# KiCad board pinstripe.kicad_pcb
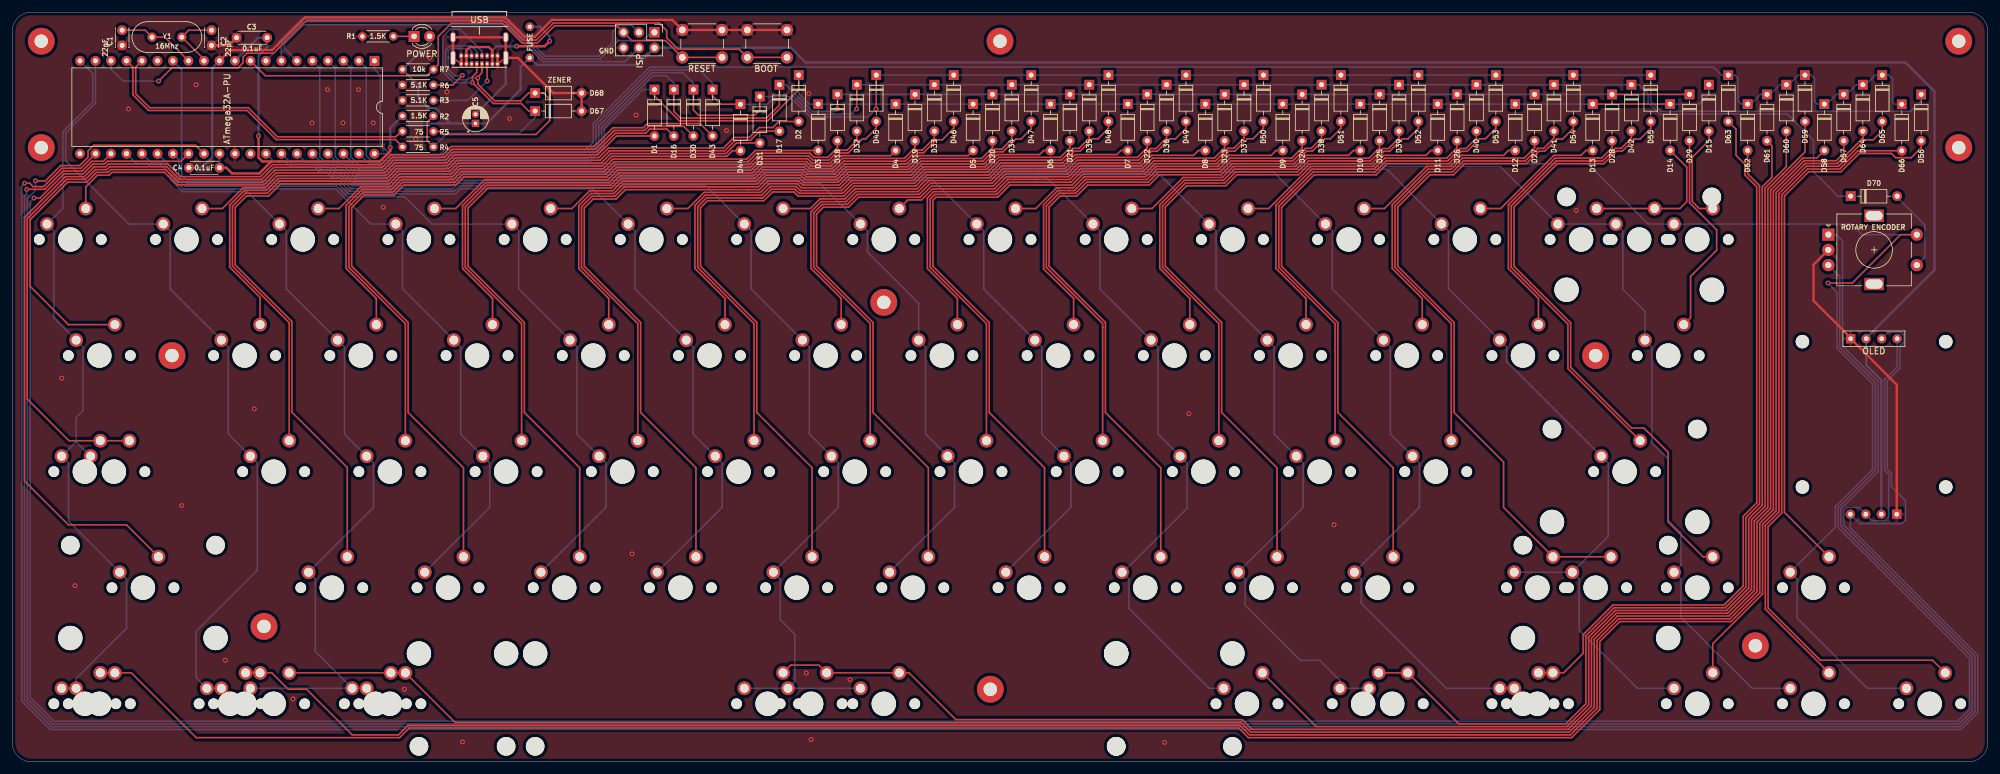
[diagram p0: board, top side]
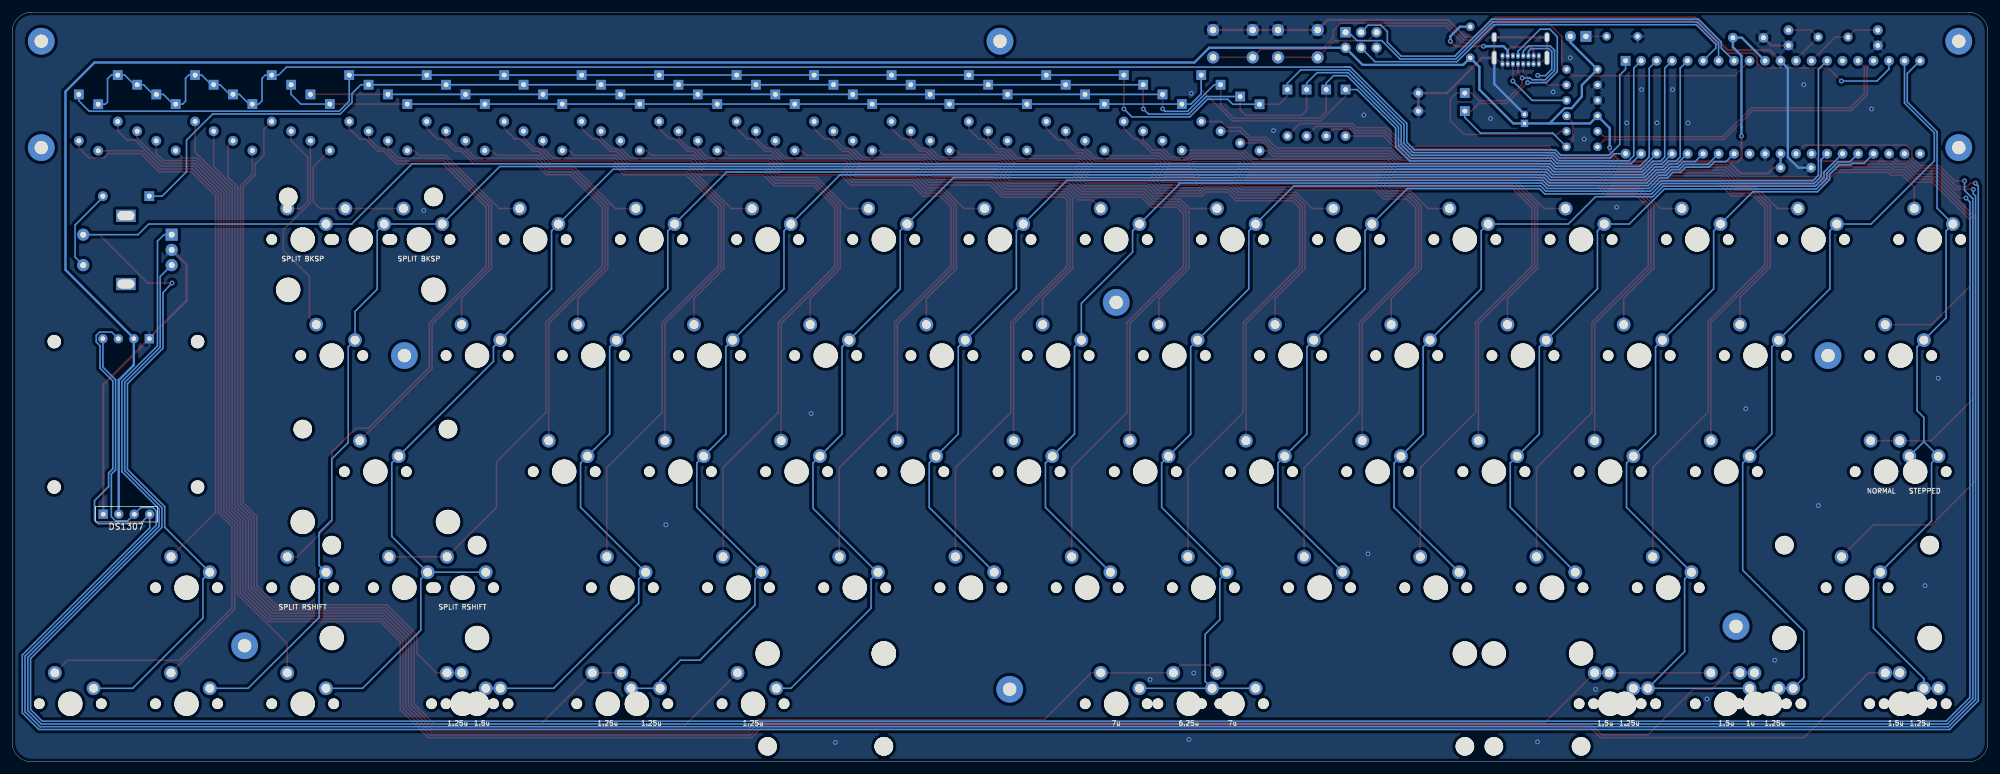
[diagram p1: board, bottom side, seen from below]

Outline 323.85 x 123.03 mm; copper layers: Top, Bottom. Coordinates in mm from the lower left corner of the outline.
Outline path: 0,119.86 arc(0.93,122.1) 3.18,123.03 320.68,123.03 arc(322.92,122.1) 323.85,119.86 323.85,3.17 arc(322.92,0.93) 320.68,0 3.18,0 arc(0.93,0.93) 0,3.17 0,119.86

## Placement (name value [footprint] x y rotation side)
BOOT  SW_Push  [SW_PUSH_6mm]  120.5 120.11 0 top
C1  22pF  [C_Disc_D3.0mm_W2.0mm_P2.50mm]  18.02 120.08 270 top
C2  22pF  [C_Disc_D3.0mm_W2.0mm_P2.50mm]  32.68 120.08 270 top
C3  0.1uF  [C_Disc_D4.3mm_W1.9mm_P5.00mm]  41.78 118.84 180 top
C4  0.1uF  [C_Disc_D4.3mm_W1.9mm_P5.00mm]  33.97 97.5 180 top
C5  4.7uF  [CP_Radial_D4.0mm_P1.50mm]  75.95 104.77 90 top
D1  1N4148  [D_DO-35_SOD27_P7.62mm_Horizontal]  105.28 110.33 270 top
D2  1N4148  [D_DO-35_SOD27_P7.62mm_Horizontal]  128.94 112.71 270 top
D3  1N4148  [D_DO-35_SOD27_P7.62mm_Horizontal]  132.11 107.95 270 top
D4  1N4148  [D_DO-35_SOD27_P7.62mm_Horizontal]  144.81 107.95 270 top
D5  1N4148  [D_DO-35_SOD27_P7.62mm_Horizontal]  157.51 107.95 270 top
D6  1N4148  [D_DO-35_SOD27_P7.62mm_Horizontal]  170.21 107.95 270 top
D7  1N4148  [D_DO-35_SOD27_P7.62mm_Horizontal]  182.88 107.95 270 top
D8  1N4148  [D_DO-35_SOD27_P7.62mm_Horizontal]  195.58 107.95 270 top
D9  1N4148  [D_DO-35_SOD27_P7.62mm_Horizontal]  208.28 107.95 270 top
D10  1N4148  [D_DO-35_SOD27_P7.62mm_Horizontal]  220.98 107.95 270 top
D11  1N4148  [D_DO-35_SOD27_P7.62mm_Horizontal]  233.68 107.95 270 top
D12  1N4148  [D_DO-35_SOD27_P7.62mm_Horizontal]  246.38 107.95 270 top
D13  1N4148  [D_DO-35_SOD27_P7.62mm_Horizontal]  259.08 107.95 270 top
D14  1N4148  [D_DO-35_SOD27_P7.62mm_Horizontal]  271.78 107.95 270 top
D15  1N4148  [D_DO-35_SOD27_P7.62mm_Horizontal]  278.13 111.12 270 top
D16  1N4148  [D_DO-35_SOD27_P7.62mm_Horizontal]  108.46 110.33 270 top
D17  1N4148  [D_DO-35_SOD27_P7.62mm_Horizontal]  125.76 111.12 270 top
D18  1N4148  [D_DO-35_SOD27_P7.62mm_Horizontal]  135.29 109.54 270 top
D19  1N4148  [D_DO-35_SOD27_P7.62mm_Horizontal]  147.99 109.54 270 top
D20  1N4148  [D_DO-35_SOD27_P7.62mm_Horizontal]  160.69 109.54 270 top
D21  1N4148  [D_DO-35_SOD27_P7.62mm_Horizontal]  173.39 109.54 270 top
D22  1N4148  [D_DO-35_SOD27_P7.62mm_Horizontal]  186.06 109.54 270 top
D23  1N4148  [D_DO-35_SOD27_P7.62mm_Horizontal]  198.75 109.54 270 top
D24  1N4148  [D_DO-35_SOD27_P7.62mm_Horizontal]  211.45 109.54 270 top
D25  1N4148  [D_DO-35_SOD27_P7.62mm_Horizontal]  224.15 109.54 270 top
D26  1N4148  [D_DO-35_SOD27_P7.62mm_Horizontal]  236.85 109.54 270 top
D27  1N4148  [D_DO-35_SOD27_P7.62mm_Horizontal]  249.56 109.54 270 top
D28  1N4148  [D_DO-35_SOD27_P7.62mm_Horizontal]  262.25 109.54 270 top
D29  1N4148  [D_DO-35_SOD27_P7.62mm_Horizontal]  274.95 109.54 270 top
D30  1N4148  [D_DO-35_SOD27_P7.62mm_Horizontal]  111.66 110.33 270 top
D31  1N4148  [D_DO-35_SOD27_P7.62mm_Horizontal]  122.55 109.19 270 top
D32  1N4148  [D_DO-35_SOD27_P7.62mm_Horizontal]  138.46 111.12 270 top
D33  1N4148  [D_DO-35_SOD27_P7.62mm_Horizontal]  151.16 111.12 270 top
D34  1N4148  [D_DO-35_SOD27_P7.62mm_Horizontal]  163.86 111.12 270 top
D35  1N4148  [D_DO-35_SOD27_P7.62mm_Horizontal]  176.56 111.12 270 top
D36  1N4148  [D_DO-35_SOD27_P7.62mm_Horizontal]  189.23 111.12 270 top
D37  1N4148  [D_DO-35_SOD27_P7.62mm_Horizontal]  201.93 111.12 270 top
D38  1N4148  [D_DO-35_SOD27_P7.62mm_Horizontal]  214.63 111.12 270 top
D39  1N4148  [D_DO-35_SOD27_P7.62mm_Horizontal]  227.33 111.12 270 top
D40  1N4148  [D_DO-35_SOD27_P7.62mm_Horizontal]  240.03 111.12 270 top
D41  1N4148  [D_DO-35_SOD27_P7.62mm_Horizontal]  252.73 111.12 270 top
D42  1N4148  [D_DO-35_SOD27_P7.62mm_Horizontal]  265.43 111.12 270 top
D43  1N4148  [D_DO-35_SOD27_P7.62mm_Horizontal]  114.81 110.33 270 top
D44  1N4148  [D_DO-35_SOD27_P7.62mm_Horizontal]  119.38 107.92 270 top
D45  1N4148  [D_DO-35_SOD27_P7.62mm_Horizontal]  141.64 112.71 270 top
D46  1N4148  [D_DO-35_SOD27_P7.62mm_Horizontal]  154.34 112.71 270 top
D47  1N4148  [D_DO-35_SOD27_P7.62mm_Horizontal]  167.04 112.71 270 top
D48  1N4148  [D_DO-35_SOD27_P7.62mm_Horizontal]  179.7 112.71 270 top
D49  1N4148  [D_DO-35_SOD27_P7.62mm_Horizontal]  192.41 112.71 270 top
D50  1N4148  [D_DO-35_SOD27_P7.62mm_Horizontal]  205.11 112.71 270 top
D51  1N4148  [D_DO-35_SOD27_P7.62mm_Horizontal]  217.81 112.71 270 top
D52  1N4148  [D_DO-35_SOD27_P7.62mm_Horizontal]  230.5 112.71 270 top
D53  1N4148  [D_DO-35_SOD27_P7.62mm_Horizontal]  243.2 112.71 270 top
D54  1N4148  [D_DO-35_SOD27_P7.62mm_Horizontal]  255.9 112.71 270 top
D55  1N4148  [D_DO-35_SOD27_P7.62mm_Horizontal]  268.6 112.71 270 top
D56  1N4148  [D_DO-35_SOD27_P7.62mm_Horizontal]  312.93 109.54 270 top
D57  1N4148  [D_DO-35_SOD27_P7.62mm_Horizontal]  300.23 109.54 270 top
D58  1N4148  [D_DO-35_SOD27_P7.62mm_Horizontal]  297.05 107.95 270 top
D59  1N4148  [D_DO-35_SOD27_P7.62mm_Horizontal]  293.88 112.71 270 top
D60  1N4148  [D_DO-35_SOD27_P7.62mm_Horizontal]  290.83 111.12 270 top
D61  1N4148  [D_DO-35_SOD27_P7.62mm_Horizontal]  287.65 109.54 270 top
D62  1N4148  [D_DO-35_SOD27_P7.62mm_Horizontal]  284.48 107.95 270 top
D63  1N4148  [D_DO-35_SOD27_P7.62mm_Horizontal]  281.31 112.71 270 top
D64  1N4148  [D_DO-35_SOD27_P7.62mm_Horizontal]  303.37 111.12 270 top
D65  1N4148  [D_DO-35_SOD27_P7.62mm_Horizontal]  306.55 112.71 270 top
D66  1N4148  [D_DO-35_SOD27_P7.62mm_Horizontal]  309.75 107.92 270 top
D67  3.6V  [D_DO-35_SOD27_P7.62mm_Horizontal]  85.73 106.81 0 top
D68  3.6V  [D_DO-35_SOD27_P7.62mm_Horizontal]  85.73 109.76 0 top
D70  1N4148  [D_DO-35_SOD27_P7.62mm_Horizontal]  301.37 92.84 0 top
DS1307  DS1307  [1x4]  306.39 38.1 180 bottom
F1  500mA  [polyfuse_5.1mm]  84.84 118.1 90 top
G***  LOGO  [logo_plate]  103.19 12.7 0 top
G***#2  LOGO  [logo_front]  101.6 14.29 180 bottom
H1  MountingHole  [MountingHole_2.2mm_M2_Pad]  4.76 118.27 0 top
H2  MountingHole  [MountingHole_2.2mm_M2_Pad]  319.09 118.27 0 top
H3  MountingHole  [MountingHole_2.2mm_M2_Pad]  4.76 100.81 0 top
H4  MountingHole  [MountingHole_2.2mm_M2_Pad]  319.09 100.81 0 top
H5  MountingHole  [MountingHole_2.2mm_M2_Pad]  26.19 66.67 0 top
H6  MountingHole  [MountingHole_2.2mm_M2_Pad]  142.88 75.41 0 top
H7  MountingHole  [MountingHole_2.2mm_M2_Pad]  259.56 66.67 0 top
H8  MountingHole  [MountingHole_2.2mm_M2_Pad]  41.28 22.22 0 top
H9  MountingHole  [MountingHole_2.2mm_M2_Pad]  160.34 11.91 0 top
H10  MountingHole  [MountingHole_2.2mm_M2_Pad]  161.93 118.27 0 top
H11  MountingHole  [MountingHole_2.2mm_M2_Pad]  285.75 19.05 0 top
ISP  AVR-ISP-6  [PinHeader_2x03_P2.54mm_Vertical]  105.28 119.73 270 top
MX_0  MX-NoLED  [MXOnly-1U-NoLED]  200.02 85.72 0 top
MX_1  MX-NoLED  [MXOnly-1U-NoLED]  28.58 85.72 0 top
MX_2  MX-NoLED  [MXOnly-1U-NoLED]  47.62 85.72 0 top
MX_3  MX-NoLED  [MXOnly-1U-NoLED]  66.67 85.72 0 top
MX_4  MX-NoLED  [MXOnly-1U-NoLED]  85.73 85.72 0 top
MX_5  MX-NoLED  [MXOnly-1U-NoLED]  104.77 85.72 0 top
MX_6  MX-NoLED  [MXOnly-1U-NoLED]  123.83 85.72 0 top
MX_7  MX-NoLED  [MXOnly-1U-NoLED]  142.88 85.72 0 top
MX_8  MX-NoLED  [MXOnly-1U-NoLED]  161.93 85.72 0 top
MX_9  MX-NoLED  [MXOnly-1U-NoLED]  180.98 85.72 0 top
MX_'1  MX-NoLED  [MXOnly-1U-NoLED]  233.36 47.62 0 top
MX_+1  MX-NoLED  [MXOnly-1U-NoLED]  238.12 85.72 0 top
MX_,1  MX-NoLED  [MXOnly-1U-NoLED]  185.74 28.57 0 top
MX_-1  MX-NoLED  [MXOnly-1U-NoLED]  219.07 85.72 0 top
MX_.1  MX-NoLED  [MXOnly-1U-NoLED]  204.79 28.57 0 top
MX_/1  MX-NoLED  [MXOnly-1U-NoLED]  223.84 28.57 0 top
MX_;1  MX-NoLED  [MXOnly-1U-NoLED]  214.31 47.62 0 top
MX_[1  MX-NoLED  [MXOnly-1U-NoLED]  228.6 66.67 0 top
MX_\1  MX-NoLED  [MXOnly-1.5U-NoLED]  271.46 66.67 0 top
MX_]1  MX-NoLED  [MXOnly-1U-NoLED]  247.65 66.67 0 top
MX_A1  MX-NoLED  [MXOnly-1U-NoLED]  42.86 47.62 0 top
MX_B1  MX-NoLED  [MXOnly-1U-NoLED]  128.59 28.57 0 top
MX_BKSP0  MX-NoLED  [MXOnly-2U-NoLED]  266.7 85.72 0 top
MX_BKSP1  MX-NoLED  [MXOnly-1U-NoLED]  257.18 85.72 0 top
MX_BKSP2  MX-NoLED  [MXOnly-1U-NoLED]  276.22 85.72 0 top
MX_C1  MX-NoLED  [MXOnly-1U-NoLED]  90.49 28.57 0 top
MX_CL1  MX-NoLED  [MXOnly-1.25U-NoLED]  11.91 47.62 0 top
MX_CL2  MX-NoLED  [MXOnly-1.75U-NoLED]  16.67 47.62 0 top
MX_D1  MX-NoLED  [MXOnly-1U-NoLED]  80.96 47.62 0 top
MX_DOWN1  MX-NoLED  [MXOnly-1U-NoLED]  295.27 9.52 0 top
MX_E1  MX-NoLED  [MXOnly-1U-NoLED]  76.2 66.67 0 top
MX_ENTER1  MX-NoLED  [MXOnly-2.25U-NoLED]  264.32 47.62 0 top
MX_ESC1  MX-NoLED  [MXOnly-1U-NoLED]  9.53 85.72 0 top
MX_F1  MX-NoLED  [MXOnly-1U-NoLED]  100.01 47.62 0 top
MX_FN1  MX-NoLED  [MXOnly-1.25U-NoLED]  226.22 9.52 0 top
MX_G1  MX-NoLED  [MXOnly-1U-NoLED]  119.06 47.62 0 top
MX_H1  MX-NoLED  [MXOnly-1U-NoLED]  138.11 47.62 0 top
MX_I1  MX-NoLED  [MXOnly-1U-NoLED]  171.45 66.67 0 top
MX_J1  MX-NoLED  [MXOnly-1U-NoLED]  157.16 47.62 0 top
MX_K1  MX-NoLED  [MXOnly-1U-NoLED]  176.21 47.62 0 top
MX_L1  MX-NoLED  [MXOnly-1U-NoLED]  195.26 47.62 0 top
MX_LALT1  MX-NoLED  [MXOnly-1.25U-NoLED]  59.53 9.52 0 top
MX_LALT2  MX-NoLED  [MXOnly-1.5U-NoLED]  42.86 9.52 0 top
MX_LALT3  MX-NoLED  [MXOnly-1.5U-NoLED]  61.91 9.52 0 top
MX_LCTRL1  MX-NoLED  [MXOnly-1.25U-NoLED]  11.91 9.52 0 top
MX_LCTRL2  MX-NoLED  [MXOnly-1.5U-NoLED]  14.29 9.52 0 top
MX_LEFT1  MX-NoLED  [MXOnly-1U-NoLED]  276.22 9.52 0 top
MX_LS1  MX-NoLED  [MXOnly-2.25U-NoLED]  21.43 28.57 0 top
MX_LWIN2  MX-NoLED  [MXOnly-1U-NoLED]  38.1 9.52 0 top
MX_M1  MX-NoLED  [MXOnly-1U-NoLED]  166.69 28.57 0 top
MX_N1  MX-NoLED  [MXOnly-1U-NoLED]  147.64 28.57 0 top
MX_O1  MX-NoLED  [MXOnly-1U-NoLED]  190.5 66.67 0 top
MX_P1  MX-NoLED  [MXOnly-1U-NoLED]  209.55 66.67 0 top
MX_Q1  MX-NoLED  [MXOnly-1U-NoLED]  38.1 66.67 0 top
MX_R1  MX-NoLED  [MXOnly-1U-NoLED]  95.25 66.67 0 top
MX_RALT1  MX-NoLED  [MXOnly-1.25U-NoLED]  202.41 9.52 0 top
MX_RALT2  MX-NoLED  [MXOnly-1.5U-NoLED]  221.46 9.52 0 top
MX_RCTRL1  MX-NoLED  [MXOnly-1.25U-NoLED]  250.03 9.52 0 top
MX_RCTRL2  MX-NoLED  [MXOnly-1.5U-NoLED]  247.65 9.52 0 top
MX_RIGHT1  MX-NoLED  [MXOnly-1U-NoLED]  314.32 9.52 0 top
MX_RS0  MX-NoLED  [MXOnly-2.75U-NoLED]  259.56 28.57 0 top
MX_RS1  MX-NoLED  [MXOnly-1.75U-NoLED]  250.03 28.57 0 top
MX_RS2  MX-NoLED  [MXOnly-1U-NoLED]  276.22 28.57 0 top
MX_S1  MX-NoLED  [MXOnly-1U-NoLED]  61.91 47.62 0 top
MX_SPACE1  MX-NoLED  [MXOnly-6.25U-ReversedStabilizers-NoLED]  130.97 9.52 0 top
MX_SPACE2  MX-NoLED  [MXOnly-7U-ReversedStabilizers-NoLED]  123.83 9.52 0 top
MX_SPACE3  MX-NoLED  [MXOnly-7U-ReversedStabilizers-NoLED]  142.88 9.52 0 top
MX_T1  MX-NoLED  [MXOnly-1U-NoLED]  114.3 66.67 0 top
MX_TAB1  MX-NoLED  [MXOnly-1.5U-NoLED]  14.29 66.67 0 top
MX_U1  MX-NoLED  [MXOnly-1U-NoLED]  152.4 66.67 0 top
MX_UP1  MX-NoLED  [MXOnly-1U-NoLED]  295.27 28.57 0 top
MX_V1  MX-NoLED  [MXOnly-1U-NoLED]  109.54 28.57 0 top
MX_W1  MX-NoLED  [MXOnly-1U-NoLED]  57.15 66.67 0 top
MX_WIN1  MX-NoLED  [MXOnly-1.25U-NoLED]  35.72 9.52 0 top
MX_X1  MX-NoLED  [MXOnly-1U-NoLED]  71.44 28.57 0 top
MX_Y1  MX-NoLED  [MXOnly-1U-NoLED]  133.35 66.67 0 top
MX_Z1  MX-NoLED  [MXOnly-1U-NoLED]  52.39 28.57 0 top
OLED  OLED  [1x4]  303.91 66.9 0 top
POWER  LED  [LED_D3.0mm_Clear]  65.88 119.06 0 top
R1  1.5K  [R_Axial_DIN0204_L3.6mm_D1.6mm_P5.08mm_Horizontal]  62.48 119.06 180 top
R2  1.5K  [R_Axial_DIN0204_L3.6mm_D1.6mm_P5.08mm_Horizontal]  63.97 106.01 0 top
R3  5.1K  [R_Axial_DIN0204_L3.6mm_D1.6mm_P5.08mm_Horizontal]  63.98 108.55 0 top
R4  75  [R_Axial_DIN0204_L3.6mm_D1.6mm_P5.08mm_Horizontal]  63.98 100.93 0 top
R5  75  [R_Axial_DIN0204_L3.6mm_D1.6mm_P5.08mm_Horizontal]  63.98 103.47 0 top
R6  5.1K  [R_Axial_DIN0204_L3.6mm_D1.6mm_P5.08mm_Horizontal]  63.97 111.09 0 top
R7  10k  [R_Axial_DIN0204_L3.6mm_D1.6mm_P5.08mm_Horizontal]  63.98 113.63 0 top
REF**  -  [MountingHole_2.2mm_M2]  316.96 68.96 0 top
REF**#2  -  [MountingHole_2.2mm_M2]  293.46 68.96 0 top
REF**#3  -  [MountingHole_2.2mm_M2]  293.46 45.1 0 top
REF**#4  -  [MountingHole_2.2mm_M2]  316.96 45.1 0 top
RESET  SW_Push  [SW_PUSH_6mm]  109.86 120.11 0 top
ROTARY ENCODER  Rotary_Encoder_Switch  [RotaryEncoder_Alps_EC11E-Switch_Vertical_H20mm]  297.71 86.52 0 top
U1  ATmega32A-PU  [DIP-40_W15.24mm]  59.37 115.05 270 top
USB  GCT-USB-4085-GF-A  [USB_C_GCT_USB4085]  76.58 120.65 180 top
Y1  16Mhz  [Crystal_HC49-4H_Vertical]  27.8 118.94 180 top

## Footprints (pads in the part's own frame, mm; a bottom-side part is the same pattern mirrored in y, then rotated)
1x4
  rect 1.524x1.524 hole 0.762: 1(-2.54,2.54)
  round 1.524 hole 0.762: 2(0,2.54) 3(2.54,2.54) 4(5.08,2.54)
C_Disc_D3.0mm_W2.0mm_P2.50mm
  round 1.6 hole 0.8: 1(0,0) 2(2.5,0)
C_Disc_D4.3mm_W1.9mm_P5.00mm
  round 1.6 hole 0.8: 1(0,0) 2(5,0)
CP_Radial_D4.0mm_P1.50mm
  rect 1.2x1.2 hole 0.6: 1(0,0)
  round 1.2 hole 0.6: 2(1.5,0)
Crystal_HC49-4H_Vertical
  round 1.5 hole 0.8: 1(0,0) 2(4.88,0)
D_DO-35_SOD27_P7.62mm_Horizontal
  rect 1.6x1.6 hole 0.8: 1(0,0)
  oval 1.6x1.6 hole 0.8: 2(7.62,0)
DIP-40_W15.24mm
  rect 1.6x1.6 hole 0.8: 1(0,0)
  oval 1.6x1.6 hole 0.8: 2(0,-2.54) 3(0,-5.08) 4(0,-7.62) 5(0,-10.16) 6(0,-12.7) 7(0,-15.24) 8(0,-17.78) 9(0,-20.32) 10(0,-22.86) 11(0,-25.4) 12(0,-27.94) 13(0,-30.48) 14(0,-33.02) 15(0,-35.56) 16(0,-38.1) 17(0,-40.64) 18(0,-43.18) 19(0,-45.72) 20(0,-48.26) 21(15.24,-48.26) 22(15.24,-45.72) 23(15.24,-43.18) 24(15.24,-40.64) 25(15.24,-38.1) 26(15.24,-35.56) 27(15.24,-33.02) 28(15.24,-30.48) 29(15.24,-27.94) 30(15.24,-25.4) 31(15.24,-22.86) 32(15.24,-20.32) 33(15.24,-17.78) 34(15.24,-15.24) 35(15.24,-12.7) 36(15.24,-10.16) 37(15.24,-7.62) 38(15.24,-5.08) 39(15.24,-2.54) 40(15.24,0)
LED_D3.0mm_Clear
  rect 1.8x1.8 hole 0.9: 1(0,0)
  round 1.8 hole 0.9: 2(2.54,0)
MountingHole_2.2mm_M2
  round 2.2 hole 2.2 unplated: (0,0)
MountingHole_2.2mm_M2_Pad
  round 4.4 hole 2.2: 1(0,0)
MXOnly-1.5U-NoLED
  round 1.75 hole 1.75 unplated: (-5.08,0) (5.08,0)
  round 3.988 hole 3.988 unplated: (0,0)
  round 2.25 hole 1.47: 1(-3.81,2.54) 2(2.54,5.08)
MXOnly-1.25U-NoLED
  round 1.75 hole 1.75 unplated: (-5.08,0) (5.08,0)
  round 3.988 hole 3.988 unplated: (0,0)
  round 2.25 hole 1.47: 1(-3.81,2.54) 2(2.54,5.08)
MXOnly-1.75U-NoLED
  round 1.75 hole 1.75 unplated: (-5.08,0) (5.08,0)
  round 3.988 hole 3.988 unplated: (0,0)
  round 2.25 hole 1.47: 1(-3.81,2.54) 2(2.54,5.08)
MXOnly-1U-NoLED
  round 1.75 hole 1.75 unplated: (-5.08,0) (5.08,0)
  round 3.988 hole 3.988 unplated: (0,0)
  round 2.25 hole 1.47: 1(-3.81,2.54) 2(2.54,5.08)
MXOnly-2.25U-NoLED
  round 3.048 hole 3.048 unplated: (-11.906,6.985) (11.906,6.985)
  round 3.988 hole 3.988 unplated: (-11.906,-8.255) (0,0) (11.906,-8.255)
  round 1.75 hole 1.75 unplated: (-5.08,0) (5.08,0)
  round 2.25 hole 1.47: 1(-3.81,2.54) 2(2.54,5.08)
MXOnly-2.75U-NoLED
  round 3.048 hole 3.048 unplated: (-11.906,6.985) (11.906,6.985)
  round 3.988 hole 3.988 unplated: (-11.906,-8.255) (0,0) (11.906,-8.255)
  round 1.75 hole 1.75 unplated: (-5.08,0) (5.08,0)
  round 2.25 hole 1.47: 1(-3.81,2.54) 2(2.54,5.08)
MXOnly-2U-NoLED
  round 3.048 hole 3.048 unplated: (-11.906,6.985) (11.906,6.985)
  round 3.988 hole 3.988 unplated: (-11.906,-8.255) (0,0) (11.906,-8.255)
  round 1.75 hole 1.75 unplated: (-5.08,0) (5.08,0)
  round 2.25 hole 1.47: 1(-3.81,2.54) 2(2.54,5.08)
MXOnly-6.25U-ReversedStabilizers-NoLED
  round 3.988 hole 3.988 unplated: (-50,8.255) (0,0) (50,8.255)
  round 3.048 hole 3.048 unplated: (-50,-6.985) (50,-6.985)
  round 1.75 hole 1.75 unplated: (-5.08,0) (5.08,0)
  round 2.25 hole 1.47: 1(-3.81,2.54) 2(2.54,5.08)
MXOnly-7U-ReversedStabilizers-NoLED
  round 3.988 hole 3.988 unplated: (-57.15,8.255) (0,0) (57.15,8.255)
  round 3.048 hole 3.048 unplated: (-57.15,-6.985) (57.15,-6.985)
  round 1.75 hole 1.75 unplated: (-5.08,0) (5.08,0)
  round 2.25 hole 1.47: 1(-3.81,2.54) 2(2.54,5.08)
PinHeader_2x03_P2.54mm_Vertical
  rect 1.7x1.7 hole 1: 1(0,0)
  oval 1.7x1.7 hole 1: 2(2.54,0) 3(0,-2.54) 4(2.54,-2.54) 5(0,-5.08) 6(2.54,-5.08)
polyfuse_5.1mm
  round 1.4 hole 0.7: 1(-2.55,0) 2(2.55,0)
R_Axial_DIN0204_L3.6mm_D1.6mm_P5.08mm_Horizontal
  round 1.4 hole 0.7: 1(0,0)
  oval 1.4x1.4 hole 0.7: 2(5.08,0)
RotaryEncoder_Alps_EC11E-Switch_Vertical_H20mm
  rect 2x2 hole 1: A(0,0)
  round 2 hole 1: B(0,-5) C(0,-2.5) S1(14.5,-5) S2(14.5,0)
  rect 3.2x2 hole 2.8x1.5: MP(7.5,3.1) MP(7.5,-8.1)
SW_PUSH_6mm
  round 2 hole 1.1: 1(0,0) 1(6.5,0) 2(0,-4.5) 2(6.5,-4.5)
USB_C_GCT_USB4085
  oval 0.65x1 hole 0.4: A1(-2.975,6.1) A4(-2.125,6.1) A5(-1.275,6.1) A6(-0.425,6.1) A7(0.425,6.1) A8(1.275,6.1) A9(2.125,6.1) A12(2.975,6.1) B1(2.98,4.775) B4(2.13,4.775) B5(1.28,4.775) B6(0.43,4.775) B7(-0.42,4.775) B8(-1.27,4.775) B9(-2.12,4.775) B12(-2.975,4.775)
  oval 0.9x2.4 hole 0.6x2.1: S1(-4.325,5.12) S1(4.325,5.12)
  oval 0.9x1.7 hole 0.6x1.4: S1(-4.325,1.74) S1(4.325,1.74)

## Nets
+5V: C3.1 C4.1 C5.1 DS1307.2 F1.1 ISP.2 OLED.2 POWER.2 R2.1 R7.1 U1.10 U1.30
GND: BOOT.1 C1.2 C2.2 C3.2 C4.2 C5.2 D67.2 D68.2 DS1307.1 ISP.6 OLED.1 R1.2 R3.1 R6.1 RESET.1 ROTARY ENCODER.C U1.11 U1.31 USB.A1 USB.A12 USB.B1 USB.B12 USB.S1
VCC: F1.2 USB.A4 USB.A9 USB.B4 USB.B9
boot: BOOT.2 U1.18
COL0: MX_CL1.1 MX_CL2.1 MX_ESC1.1 MX_LCTRL1.1 MX_LCTRL2.1 MX_LS1.1 MX_TAB1.1 U1.20
COL1: MX_1.1 MX_A1.1 MX_LWIN2.1 MX_Q1.1 MX_WIN1.1 U1.19
COL2: MX_2.1 MX_LALT1.1 MX_LALT2.1 MX_LALT3.1 MX_S1.1 MX_W1.1 MX_Z1.1 U1.24
COL3: MX_3.1 MX_D1.1 MX_E1.1 MX_X1.1 U1.25
COL4: MX_4.1 MX_C1.1 MX_F1.1 MX_R1.1 U1.26
COL5: MX_5.1 MX_G1.1 MX_T1.1 MX_V1.1 U1.27
COL6: MX_6.1 MX_B1.1 MX_H1.1 MX_SPACE1.1 MX_SPACE2.1 MX_SPACE3.1 MX_Y1.1 U1.14
COL7: MX_7.1 MX_J1.1 MX_N1.1 MX_U1.1 U1.33
COL8: MX_8.1 MX_I1.1 MX_K1.1 MX_M1.1 U1.34
COL9: MX_9.1 MX_,1.1 MX_L1.1 MX_O1.1 MX_RALT1.1 U1.35
COL10: MX_0.1 MX_.1.1 MX_;1.1 MX_FN1.1 MX_P1.1 MX_RALT2.1 U1.36
COL11: MX_'1.1 MX_-1.1 MX_/1.1 MX_[1.1 MX_RCTRL1.1 MX_RCTRL2.1 U1.5
COL12: MX_+1.1 MX_]1.1 MX_ENTER1.1 MX_LEFT1.1 MX_RS0.1 MX_RS1.1 U1.37
COL13: MX_\1.1 MX_BKSP0.1 MX_BKSP1.1 MX_DOWN1.1 MX_RS2.1 U1.4
COL14: MX_BKSP2.1 MX_RIGHT1.1 MX_UP1.1 ROTARY ENCODER.S2 U1.38
D+: R5.1 U1.16
D-: R4.1 U1.17
EN1: ROTARY ENCODER.A U1.29
EN2: ROTARY ENCODER.B U1.28
MISO: ISP.1 U1.7
MOSI: ISP.4 U1.6
reset: ISP.5 R7.2 RESET.2 U1.9
ROW0: D1.1 D2.1 D3.1 D4.1 D5.1 D6.1 D7.1 D8.1 D9.1 D10.1 D11.1 D12.1 D13.1 D14.1 D15.1 U1.3
ROW1: D16.1 D17.1 D18.1 D19.1 D20.1 D21.1 D22.1 D23.1 D24.1 D25.1 D26.1 D27.1 D28.1 D29.1 U1.39
ROW2: D30.1 D31.1 D32.1 D33.1 D34.1 D35.1 D36.1 D37.1 D38.1 D39.1 D40.1 D41.1 D42.1 D70.1 U1.2
ROW3: D43.1 D44.1 D45.1 D46.1 D47.1 D48.1 D49.1 D50.1 D51.1 D52.1 D53.1 D54.1 D55.1 D56.1 U1.40
ROW4: D57.1 D58.1 D59.1 D60.1 D61.1 D62.1 D63.1 D64.1 D65.1 D66.1 U1.1
SCK: ISP.3 U1.8
SCL: DS1307.4 OLED.3 U1.22
SDA: DS1307.3 OLED.4 U1.23
Net-(C1-Pad1): C1.1 U1.13 Y1.2
Net-(C2-Pad1): C2.1 U1.12 Y1.1
Net-(D1-Pad2): D1.2 MX_ESC1.2
Net-(D2-Pad2): D2.2 MX_1.2
Net-(D3-Pad2): D3.2 MX_2.2
Net-(D4-Pad2): D4.2 MX_3.2
Net-(D5-Pad2): D5.2 MX_4.2
Net-(D6-Pad2): D6.2 MX_5.2
Net-(D7-Pad2): D7.2 MX_6.2
Net-(D8-Pad2): D8.2 MX_7.2
Net-(D9-Pad2): D9.2 MX_8.2
Net-(D10-Pad2): D10.2 MX_9.2
Net-(D11-Pad2): D11.2 MX_0.2
Net-(D12-Pad2): D12.2 MX_-1.2
Net-(D13-Pad2): D13.2 MX_+1.2
Net-(D14-Pad2): D14.2 MX_BKSP0.2 MX_BKSP1.2
Net-(D15-Pad2): D15.2 MX_BKSP2.2
Net-(D16-Pad2): D16.2 MX_TAB1.2
Net-(D17-Pad2): D17.2 MX_Q1.2
Net-(D18-Pad2): D18.2 MX_W1.2
Net-(D19-Pad2): D19.2 MX_E1.2
Net-(D20-Pad2): D20.2 MX_R1.2
Net-(D21-Pad2): D21.2 MX_T1.2
Net-(D22-Pad2): D22.2 MX_Y1.2
Net-(D23-Pad2): D23.2 MX_U1.2
Net-(D24-Pad2): D24.2 MX_I1.2
Net-(D25-Pad2): D25.2 MX_O1.2
Net-(D26-Pad2): D26.2 MX_P1.2
Net-(D27-Pad2): D27.2 MX_[1.2
Net-(D28-Pad2): D28.2 MX_]1.2
Net-(D29-Pad2): D29.2 MX_\1.2
Net-(D30-Pad2): D30.2 MX_CL1.2 MX_CL2.2
Net-(D31-Pad2): D31.2 MX_A1.2
Net-(D32-Pad2): D32.2 MX_S1.2
Net-(D33-Pad2): D33.2 MX_D1.2
Net-(D34-Pad2): D34.2 MX_F1.2
Net-(D35-Pad2): D35.2 MX_G1.2
Net-(D36-Pad2): D36.2 MX_H1.2
Net-(D37-Pad2): D37.2 MX_J1.2
Net-(D38-Pad2): D38.2 MX_K1.2
Net-(D39-Pad2): D39.2 MX_L1.2
Net-(D40-Pad2): D40.2 MX_;1.2
Net-(D41-Pad2): D41.2 MX_'1.2
Net-(D42-Pad2): D42.2 MX_ENTER1.2
Net-(D43-Pad2): D43.2 MX_LS1.2
Net-(D44-Pad2): D44.2 MX_Z1.2
Net-(D45-Pad2): D45.2 MX_X1.2
Net-(D46-Pad2): D46.2 MX_C1.2
Net-(D47-Pad2): D47.2 MX_V1.2
Net-(D48-Pad2): D48.2 MX_B1.2
Net-(D49-Pad2): D49.2 MX_N1.2
Net-(D50-Pad2): D50.2 MX_M1.2
Net-(D51-Pad2): D51.2 MX_,1.2
Net-(D52-Pad2): D52.2 MX_.1.2
Net-(D53-Pad2): D53.2 MX_/1.2
Net-(D54-Pad2): D54.2 MX_RS0.2 MX_RS1.2
Net-(D55-Pad2): D55.2 MX_RS2.2
Net-(D56-Pad2): D56.2 MX_UP1.2
Net-(D57-Pad2): D57.2 MX_LCTRL1.2 MX_LCTRL2.2
Net-(D58-Pad2): D58.2 MX_LWIN2.2 MX_WIN1.2
Net-(D59-Pad2): D59.2 MX_LALT1.2 MX_LALT2.2 MX_LALT3.2
Net-(D60-Pad2): D60.2 MX_SPACE1.2 MX_SPACE2.2 MX_SPACE3.2
Net-(D61-Pad2): D61.2 MX_RALT1.2
Net-(D62-Pad2): D62.2 MX_FN1.2 MX_RALT2.2
Net-(D63-Pad2): D63.2 MX_RCTRL1.2 MX_RCTRL2.2
Net-(D64-Pad2): D64.2 MX_LEFT1.2
Net-(D65-Pad2): D65.2 MX_DOWN1.2
Net-(D66-Pad2): D66.2 MX_RIGHT1.2
Net-(D67-Pad1): D67.1 R2.2 R4.2 USB.A7 USB.B7
Net-(D68-Pad1): D68.1 R5.2 USB.A6 USB.B6
Net-(D69-Pad1): POWER.1 R1.1
Net-(D71-Pad2): D70.2 ROTARY ENCODER.S1
Net-(R3-Pad2): R3.2 USB.A5
Net-(R6-Pad2): R6.2 USB.B5
Net-(U1-Pad15): U1.15
Net-(U1-Pad21): U1.21
Net-(U1-Pad32): U1.32
Net-(U2-PadA8): USB.A8
Net-(U2-PadB8): USB.B8

Pads without a net: H1 1; H2 1; H3 1; H4 1; H5 1; H6 1; H7 1; H8 1; H9 1; H10 1; H11 1; ROTARY ENCODER MP

## Via types
v1: diameter 0.8, hole 0.4, Top to Bottom, 48 vias
